# Altium PCB Copy of Board.PcbDoc (part 2 of 4) (continued)
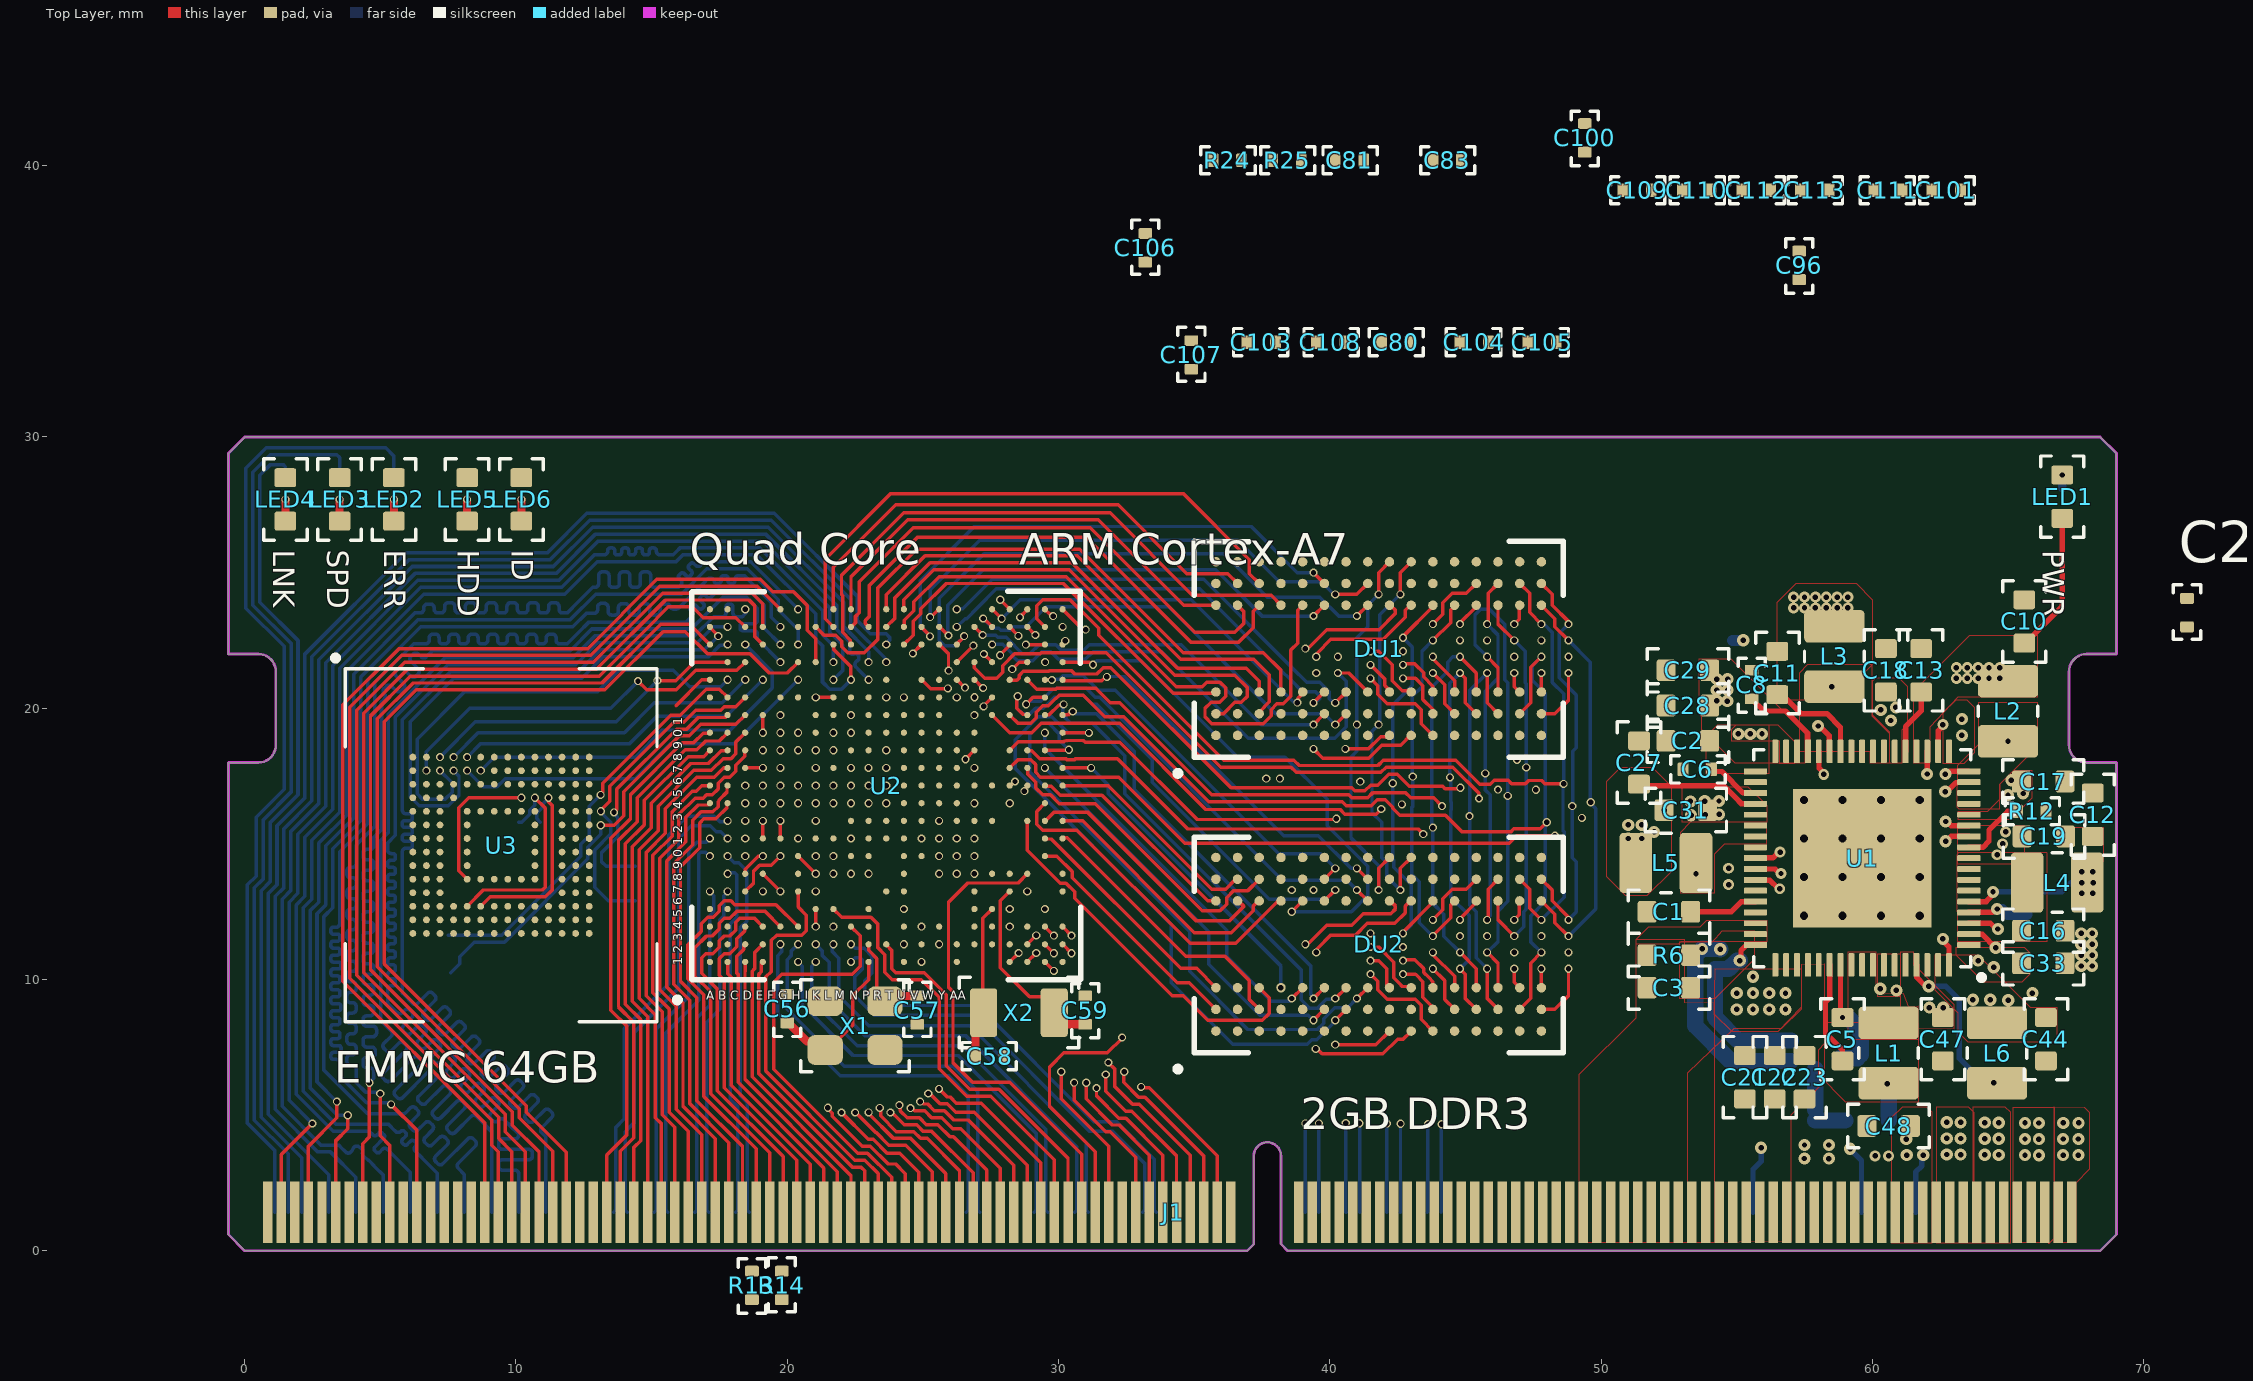
[diagram p0: Top Layer view]
## Nets (pads, with @x,y where several pads share a name; then routed paths per layer and width w, separated by ;. In a path a pad name is that pad's centre, name@x,y a point inside that pad or via, vN(x,y) a via of type N, cw(c..) or ccw(c..) an arc to the next point about the centre after c; other vN are vias at no path point) (continued)
  Int4 (PWR) w0.4: v2(62.687,16.93) 64,15.617 64,14.3 64.4,13.9 65.5,13.9 65.9,13.5 v2(65.9,9.5) 65.9,6.542 65.677,6.319 65.677,5.742 v2@64.663,4.728
  Int4 (PWR) w0.6: v2(64.144,4.726) v2(64.144,4.134) 64.144,3.549 64.657,3.549 64.713,3.605 64.713,4.678 64.663,4.728 64.657,4.734 v2@64.159,4.734
  other v2: 64.144,3.541 64.657,3.537 64.657,4.129 64.657,4.722
NetC50_2: C50.2 J1.251 J1.253 U1.17 | length 20.1
  Top Layer w0.2: v2(62.695,17.575) 62.763,17.575 62.863,17.675 U1.17@63.54,17.675
  Int4 (PWR) w0.4: v2(62.695,17.575) 63.225,17.575 64.552,16.248 65.118,16.248 65.6,15.766 65.6,14.578 66.465,13.714 66.465,6.361 66.204,6.101 66.204,4.724 66.196,4.716 v2(65.627,4.716)
  Int4 (PWR) w0.6: v2(65.627,4.716) v2(65.627,4.123) 65.627,3.538 v2@66.188,3.538 ; v2@65.643,4.724 v2@66.196,4.724 ; v2@66.196,3.538 66.196,4.712 66.196,4.716 v2@66.196,4.724 ; v2@66.204,4.724 v2@66.196,4.724
  other v2: 65.627,3.53 66.14,3.526 66.14,4.119 66.14,4.712
NetC51_2: C51.2 J1.257 J1.259 U1.19 | length 22.5
  Top Layer w0.2: U1.19@62.425,18.41 62.425,19.171 62.6,19.346 v3(62.6,19.4)
  Int4 (PWR) w0.4: v3(62.6,19.4) 62.6,18.6 63.098,18.102 63.444,18.102 63.445,18.1 65.2,18.1 66.2,17.1 66.2,14.827 67.027,14 67.027,5.973 67.602,5.398 v2(67.602,4.716)
  Int4 (PWR) w0.6: v2@67.033,4.708 v2(67.033,4.123) v2(67.033,3.53) v2(67.594,3.53) ; v2@67.049,4.716 v2(67.602,4.716) ; v2@67.602,3.53 v2(67.602,4.716) ; v2@67.61,4.716 v2(67.602,4.716)
  other v2: 67.594,4.123 67.041,4.716
NetC52_2: C52.2 U2.H11
  other v1: 21.7,17.15
NetC56_1: C56.1 U2.K1 X1.2 | length 5.8
  Top Layer w0.127: X1.2@21.4,7.4 21.5,7.4 22.418,8.318 22.418,9.418 23,10 U2.K1@23,10.65
  Top Layer w0.3: C56.1@20,8.4 20.05,8.4 20.727,7.723 21.077,7.723 X1.2@21.4,7.4
NetC57_1: C57.1 U2.K2 X1.1 | length 3.6
  Top Layer w0.127: U2.K2@23,11.3 23,11.082 23.306,10.777 23.306,9.495 X1.1@23.6,9.2
  Top Layer w0.3: X1.1@23.6,9.2 23.8,9.4 C57.1@24.8,9.4
NetC58_1: C58.1 U2.U4 X2.2 | length 5.7
  Top Layer w0.127: X2.2@27.241,8.778 27.206,8.814 27.206,12.255 U2.U4@27.55,12.6
  Top Layer w0.3: C58.1@26.941,7.178 26.941,8.478 X2.2@27.241,8.778
NetC59_1: C59.1 U2.V5 X2.1 | length 7.2
  Top Layer w0.127: U2.V5@28.2,13.25 27.859,12.91 27.859,10.441 28.932,9.368 29.409,9.368 29.68,9.098 29.841,8.936 X2.1@29.841,8.778
  Top Layer w0.3: X2.1@29.68,8.7 30.03,8.35 C59.1@30.98,8.35
NetC65_1: C65.1 C66.1 U2.V4
  other v1: 28.2,12.6
NetC67_1: C67.1 U2.Y4
  other v1: 29.5,12.6
NetC68_1: C68.1 R15.1 U2.W5
  other v1: 28.85,13.25
NetC78_2: C78.2 C79.2 U3.C2
NetDU1_L8: DU1.L8 R21.2
NetDU1_L9: DU1.L9 R19.2
NetDU2_L8: DU2.L8 R22.2
NetDU2_L9: DU2.L9 R20.2
NetJ1_33: J1.33 U2.G18 | length 42.5
  Top Layer w0.127: J1.33@8.85,1.422 8.85,4.713 3.622,9.941 3.622,20.136 5.687,22.201 12.646,22.201 15.197,24.752 19.007,24.752 19.459,24.3 20.232,24.3 20.744,23.787 20.744,22.873 21.05,22.568 U2.G18@21.05,21.7
NetJ1_35: J1.35 U2.E21 | length 39
  Top Layer w0.127: J1.35@9.35,1.422 9.35,3.65 9.104,3.896 9.104,4.818 3.876,10.046 3.876,20.031 5.792,21.947 12.751,21.947 15.302,24.498 18.901,24.498 U2.E21@19.75,23.65
NetJ1_37: J1.37 U2.D20 | length 38.7
  Top Layer w0.127: J1.37@9.85,1.422 9.85,3.65 9.358,4.142 9.358,4.924 4.13,10.152 4.13,19.926 5.897,21.693 12.857,21.693 15.408,24.244 18.715,24.244 19.1,23.859 U2.D20@19.1,23
NetJ1_39: J1.39 U2.D19 | length 38.7
  Top Layer w0.127: J1.39@10.35,1.422 10.35,3.645 9.612,4.383 9.612,5.029 4.384,10.257 4.384,19.821 6.003,21.439 12.962,21.439 15.513,23.99 18.591,23.99 18.794,23.787 18.794,22.656 U2.D19@19.1,22.35
NetJ1_41: J1.41 U2.C20 | length 36.6
  Top Layer w0.127: J1.41@10.85,1.422 10.85,3.646 9.866,4.63 9.866,5.134 4.638,10.362 4.638,19.716 6.108,21.185 13.067,21.185 14.761,22.88 15.618,23.736 16.504,23.736 16.9,23.341 18.11,23.341 U2.C20@18.45,23
NetJ1_43: J1.43 U2.A19 | length 34.9
  Top Layer w0.127: J1.43@11.35,1.422 11.35,3.677 10.12,4.907 10.12,5.239 4.892,10.467 4.892,19.61 6.213,20.931 13.172,20.931 15.341,23.1 16.4,23.1 U2.A19@17.15,22.35
NetJ1_45: J1.45 U2.F18 | length 38.3
  Top Layer w0.127: J1.45@11.85,1.422 11.85,3.634 10.374,5.11 10.374,5.344 5.146,10.572 5.146,19.505 6.318,20.677 13.277,20.677 15.42,22.82 16.246,22.82 17.061,22.006 18.626,22.006 19.332,21.3 20,21.3 U2.F18@20.4,21.7
NetJ1_51: J1.51 U2.A14 | length 20.1
  Top Layer w0.127: J1.51@13.35,1.422 13.35,3.532 14.092,4.274 14.092,8.28 13.5,8.872 13.5,15.207 14.222,15.929 14.222,16.814 16.133,18.725 16.546,18.725 16.9,19.08 17.13,19.08 U2.A14@17.15,19.1
NetJ1_53: J1.53 U2.B14 | length 20.3
  Top Layer w0.127: J1.53@13.85,1.422 13.85,3.673 14.346,4.169 14.346,8.421 13.78,8.988 13.78,15.127 14.476,15.823 14.476,16.709 16.239,18.471 16.671,18.471 16.994,18.794 17.494,18.794 U2.B14@17.8,19.1
NetJ1_55: J1.55 U2.A13 | length 19
  Top Layer w0.127: J1.55@14.35,1.422 14.35,3.814 14.6,4.064 14.6,8.526 14.034,9.093 14.034,15 14.73,15.696 14.73,16.603 16.344,18.217 16.917,18.217 U2.A13@17.15,18.45
NetJ1_57: J1.57 U2.B13 | length 19.2
  Top Layer w0.127: J1.57@14.85,1.422 14.854,1.426 14.854,8.632 14.288,9.198 14.288,14.895 14.984,15.591 14.984,16.498 16.449,17.963 17.095,17.963 17.562,18.43 17.78,18.43 U2.B13@17.8,18.45
NetJ1_59: J1.59 U2.C14 | length 20.2
  Top Layer w0.127: J1.59@15.35,1.422 15.35,4.695 15.142,4.903 15.142,8.703 14.542,9.303 14.542,14.79 15.238,15.486 15.238,16.393 16.554,17.709 17.201,17.709 17.636,18.144 17.927,18.144 18.105,18.323 18.105,18.755 U2.C14@18.45,19.1
NetJ1_61: J1.61 U2.B12 | length 18.5
  Top Layer w0.127: J1.61@15.85,1.422 15.85,4.554 15.396,5.008 15.396,8.808 14.796,9.408 14.796,14.684 15.5,15.389 15.5,16.296 16.659,17.455 17.277,17.455 ; 17.295,17.455 17.314,17.455 17.659,17.8 U2.B12@17.8,17.8
NetJ1_63: J1.63 U2.A11 | length 17.4
  Top Layer w0.127: J1.63@16.35,1.422 16.35,4.413 15.65,5.114 15.65,8.914 15.501,9.062 15.05,9.514 15.05,14.579 15.754,15.284 15.754,16.191 16.505,16.941 16.641,16.941 16.85,17.15 U2.A11@17.15,17.15
NetJ1_65: J1.65 U2.C13 | length 19.4
  Top Layer w0.127: J1.65@16.85,1.422 16.85,4.272 15.904,5.219 15.904,9.019 15.304,9.619 15.304,14.474 16.008,15.178 16.008,16.086 16.61,16.687 16.905,16.687 17.023,16.805 17.238,16.805 17.455,17.023 17.455,17.238 17.673,17.455 17.887,17.455 18.105,17.673 18.105,17.905 18.43,18.23 18.43,18.43 U2.C13@18.45,18.45
NetJ1_67: J1.67 U2.A10 | length 16.7
  Top Layer w0.127: U2.A10@17.15,16.5 17.083,16.433 16.715,16.433 16.262,15.98 16.262,15.073 15.558,14.369 15.558,9.724 16.158,9.124 16.158,5.324 17.35,4.132 J1.67@17.35,1.422
NetJ1_69: J1.69 U2.B11 | length 17.7
  Top Layer w0.127: U2.B11@17.8,17.15 17.78,17.13 17.78,16.912 17.5,16.632 17.5,16.606 17.455,16.561 17.455,16.373 17.261,16.179 16.82,16.179 16.516,15.875 16.516,14.968 15.812,14.264 15.812,9.829 16.263,9.378 16.412,9.229 16.412,5.429 17.85,3.991 J1.69@17.85,1.422
NetJ1_71: J1.71 U2.B10 | length 17
  Top Layer w0.127: U2.B10@17.8,16.5 17.78,16.48 17.78,16.339 17.367,15.925 16.925,15.925 16.77,15.77 16.77,14.863 16.066,14.158 16.066,9.934 16.666,9.334 16.666,5.534 18.35,3.85 J1.71@18.35,1.422
NetJ1_73: J1.73 U2.F3 | length 16.3
  Top Layer w0.127: J1.73@18.85,1.422 18.85,3.758 16.92,5.688 16.92,6.109 16.92,6.6 16.92,9.44 16.336,10.023 16.336,11.278 16.829,11.771 16.829,12.061 17.062,12.294 17.277,12.294 17.494,12.512 17.494,12.727 17.673,12.905 17.927,12.905 18.068,12.763 19.587,12.763 U2.F3@20.4,11.95
NetJ1_75: J1.75 U2.E3 | length 15
  Top Layer w0.127: J1.75@19.35,1.422 19.35,3.617 17.174,5.794 17.174,6.004 17.174,6.495 17.174,9.545 16.59,10.128 16.59,11.173 17.023,11.606 17.238,11.606 17.494,11.862 17.494,12.077 17.673,12.255 17.888,12.255 18.142,12.509 19.19,12.509 U2.E3@19.75,11.95
NetJ1_77: J1.77 U2.D3 | length 13.9
  Top Layer w0.127: U2.D3@19.1,11.95 18.794,12.255 18.247,12.255 18.105,12.114 18.105,11.823 17.888,11.606 17.673,11.606 17.494,11.427 17.494,11.194 17.255,10.955 17,10.955 16.844,10.8 16.844,10.233 17.428,9.65 17.428,5.899 19.85,3.476 J1.77@19.85,1.422
NetJ1_78: J1.78 U2.F11
  other v1: 20.4,17.15
NetJ1_79: J1.79 U2.C3 | length 12.2
  Top Layer w0.127: U2.C3@18.45,11.95 18.43,11.93 18.43,11.789 18.145,11.503 18.145,11.212 17.887,10.955 17.673,10.955 17.494,10.777 17.494,10.165 17.682,9.978 17.682,6.004 20.35,3.336 J1.79@20.35,1.422
NetJ1_80: J1.80 U2.G12
  other v1: 21.05,17.8
NetJ1_81: J1.81 U2.B1 | length 10.5
  Top Layer w0.127: U2.B1@17.8,10.65 17.8,10.218 17.936,10.083 17.936,6.109 20.85,3.195 J1.81@20.85,1.422
NetJ1_83: J1.83 U2.C2 | length 11.3
  Top Layer w0.127: U2.C2@18.45,11.3 18.399,11.248 18.399,11.107 18.145,10.853 18.145,10.233 18.19,10.188 18.19,6.214 21.35,3.054 J1.83@21.35,1.422
NetJ1_84: J1.84 U2.M3
NetJ1_85: J1.85 U2.C1 | length 10.6
  Top Layer w0.127: U2.C1@18.45,10.65 18.45,10.3 18.444,10.293 18.444,6.32 21.842,2.921 21.842,1.43 J1.85@21.85,1.422
NetJ1_86: J1.86 U2.H6
  other v1: 21.7,13.9
NetJ1_87: J1.87 U2.D2 | length 11.6
  Top Layer w0.127: U2.D2@19.1,11.3 18.794,10.994 18.794,10.4 18.704,10.31 18.704,6.418 22.35,2.772 J1.87@22.35,1.422
NetJ1_89: J1.89 U2.D1 | length 11.1
  Top Layer w0.127: U2.D1@19.1,10.65 19.048,10.598 19.048,10.295 18.958,10.204 18.958,6.524 22.409,3.073 22.727,3.073 22.85,2.95 J1.89@22.85,1.422
NetJ1_90: J1.90 U2.D10
  other v1: 19.1,16.5
NetJ1_91: J1.91 U2.F5 | length 15
  Top Layer w0.127: U2.F5@20.4,13.25 20.4,12.676 20.706,12.37 20.706,11.806 20.54,11.64 19.609,11.64 19.409,11.441 19.409,11.4 19.405,11.396 19.405,10.293 19.212,10.099 19.212,6.629 22.495,3.346 22.854,3.346 23.35,2.85 J1.91@23.35,1.422
NetJ1_92: J1.92 U2.C8
  other v1: 18.45,15.2
NetJ1_93: J1.93 U2.J3 | length 15.5
  Top Layer w0.127: U2.J3@22.35,11.95 22.69,11.609 22.69,10.49 22.4,10.2 19.8,10.2 19.5,9.9 19.5,6.7 22.6,3.6 22.959,3.6 23.85,2.709 J1.93@23.85,1.422
NetJ1_94: J1.94 U2.E11
  other v1: 19.75,17.15
NetJ1_95: J1.95 U2.F13 | length 32.1
  Top Layer w0.127: v1(21.5,5.273) 21.5,5.227 21.659,5.067 21.659,4.959 22.764,3.854 23.065,3.854 23.718,3.2 24,3.2 24.353,2.847 J1.95@24.353,1.475
  Int2 (Sign) w0.127: v1(20.4,18.45) 20.741,18.79 20.741,19.659 20.055,20.345 19.145,20.345 19.058,20.258 18.699,20.258 17.709,19.268 16.03,19.268 14.246,17.484 14.246,15.738 13.86,15.352 13.86,11.448 14.552,10.756 14.552,8.756 17.948,5.36 v1@21.397,5.36 ; v1@21.484,5.273 v1(21.5,5.273)
NetJ1_96: J1.96 U2.E13
  other v1: 19.75,18.45
NetJ1_97: J1.97 U2.F14 | length 30.9
  Top Layer w0.127: v1(22,5.1) 22.992,4.108 23.17,4.108 23.678,3.6 24.15,3.6 24.85,2.9 J1.97@24.85,1.422
  Int2 (Sign) w0.127: v1(20.4,19.1) 20.4,19.641 19.95,20.091 19.25,20.091 19.163,20.004 18.804,20.004 17.814,19.014 16.136,19.014 14.5,17.379 14.5,15.633 14.114,15.247 14.114,11.553 14.806,10.861 14.806,8.861 18.053,5.614 21.841,5.614 22,5.455 v1(22,5.1)
NetJ1_99: J1.99 U2.E15 | length 29.3
  Top Layer w0.127: v1(22.5,5.1) 22.52,5.1 23.258,4.362 23.275,4.362 23.749,3.888 24.375,3.888 25.35,2.913 J1.99@25.35,1.422
  Int2 (Sign) w0.127: v1(19.75,19.75) 18.909,19.75 17.92,18.76 16.241,18.76 14.754,17.274 14.754,15.528 14.368,15.142 14.368,11.658 15.06,10.966 15.06,8.966 18.158,5.868 22.033,5.868 22.533,5.368 22.533,5.133 v1(22.5,5.1)
NetJ1_100: J1.100 U2.D8 | length 0.6
  Top Layer w0.127: U2.D8@19.1,15.2 v1(19.1,15.85)
NetJ1_101: J1.101 U2.E14 | length 29.1
  Top Layer w0.127: v1(23.001,5.101) 23.001,5.059 23.918,4.142 24.558,4.142 25.85,2.85 J1.101@25.85,1.422
  Int2 (Sign) w0.127: v1(19.75,19.1) 19.409,19.441 18.959,19.441 18.025,18.506 16.346,18.506 15.008,17.168 15.008,15.422 14.622,15.036 14.622,11.764 15.314,11.072 15.314,9.072 18.264,6.122 22.284,6.122 22.968,5.438 22.968,5.134 v1(23.001,5.101)
NetJ1_103: J1.103 U2.D15 | length 28.8
  Top Layer w0.127: v1(19.1,19.1) U2.D15@19.1,19.75 ; v1(23.408,5.27) 23.441,5.236 23.441,4.977 24.023,4.396 24.664,4.396 24.913,4.146 25.154,4.146 26.35,2.95 J1.103@26.35,1.422
  Int2 (Sign) w0.127: v1(19.1,19.1) 18.252,18.252 16.451,18.252 15.262,17.063 15.262,15.317 14.876,14.931 14.876,11.869 15.568,11.177 15.568,9.177 18.369,6.376 22.424,6.376 23.408,5.392 v1(23.408,5.27)
NetJ1_105: J1.105 U2.D13 | length 27.6
  Top Layer w0.127: v1(23.8,5.1) 23.847,5.1 23.933,5.014 23.946,5.014 24.31,4.65 24.769,4.65 25.018,4.4 25.322,4.4 26.85,2.872 J1.105@26.85,1.422
  Int2 (Sign) w0.127: v1(19.1,18.45) 18.648,17.998 16.556,17.998 15.516,16.958 15.516,15.212 15.13,14.826 15.13,11.974 15.822,11.282 15.822,9.282 18.474,6.63 22.529,6.63 23.783,5.376 v1@23.783,5.117 ; v1@23.767,5.133 v1(23.8,5.1)
NetJ1_107: J1.107 U2.C12 | length 27.9
  Top Layer w0.127: U2.C12@18.45,17.8 v1(19.1,17.8) ; v1(24.133,5.373) 24.166,5.339 24.166,5.156 24.418,4.904 24.874,4.904 25.124,4.654 25.546,4.654 26,4.2 26.129,4.2 27.35,2.979 J1.107@27.35,1.422
  Int2 (Sign) w0.127: v1(19.1,17.8) 19.044,17.744 16.662,17.744 15.77,16.853 15.77,15.107 15.384,14.721 15.384,12.079 16.076,11.387 16.076,9.387 18.579,6.884 22.634,6.884 24.133,5.386 v1(24.133,5.373)
NetJ1_109: J1.109 U2.D11 | length 27.2
  Top Layer w0.127: v1(24.544,5.259) 24.591,5.259 24.692,5.158 25.067,5.158 25.317,4.908 25.692,4.908 26.1,4.5 26.4,4.5 27.85,3.05 J1.109@27.85,1.422
  Int2 (Sign) w0.127: v1(19.1,17.15) 18.932,17.15 18.591,17.49 16.767,17.49 16.024,16.748 16.024,15.002 15.638,14.616 15.638,12.184 16.33,11.492 16.33,9.492 18.684,7.138 22.74,7.138 24.078,5.8 24.2,5.8 24.544,5.455 v1(24.544,5.259) ; v1@24.505,5.229 v1@24.525,5.209
NetJ1_110: J1.110 J1.143 U2.G5
  other v1: 21.05,13.25
NetJ1_111: J1.111 U2.C11 | length 26.1
  Top Layer w0.127: v1(24.898,5.498) 24.945,5.498 25.031,5.412 25.173,5.412 25.422,5.162 25.797,5.162 26.137,4.822 26.678,4.822 28.35,3.15 J1.111@28.35,1.422
  Int2 (Sign) w0.127: v1(18.45,17.15) 18.392,17.208 16.844,17.208 16.278,16.642 16.278,14.896 15.892,14.51 15.892,12.29 16.584,11.598 16.584,9.598 18.79,7.392 22.845,7.392 24.137,6.1 24.296,6.1 v1(24.898,5.498)
NetJ1_113: J1.113 U2.C10 | length 26
  Top Layer w0.127: v1(25.2,5.8) 25.247,5.8 25.631,5.416 25.902,5.416 26.21,5.108 26.892,5.108 28.85,3.15 J1.113@28.85,1.422
  Int2 (Sign) w0.127: v1(18.45,16.5) 18.159,16.5 17.705,16.954 16.949,16.954 16.555,16.561 16.555,14.815 16.146,14.405 16.146,12.395 16.838,11.703 16.838,9.703 18.895,7.646 22.95,7.646 24.242,6.354 24.401,6.354 24.805,5.95 25.05,5.95 v1(25.2,5.8)
NetJ1_115: J1.115 U2.C9 | length 26
  Top Layer w0.127: v1(25.593,5.969) 25.892,5.67 26.008,5.67 26.232,5.446 27.154,5.446 29.35,3.25 J1.115@29.35,1.422
  Int2 (Sign) w0.127: v1(18.45,15.85) 17.6,16.7 17.054,16.7 16.809,16.455 16.809,14.709 16.4,14.3 16.4,12.5 17.092,11.808 17.092,9.808 19,7.9 23.055,7.9 23.955,7 24.347,6.608 24.507,6.608 24.863,6.252 25.31,6.252 v1(25.593,5.969)
NetJ1_117: J1.117 U2.H4 | length 16.3
  Top Layer w0.127: U2.H4@21.7,12.6 22.005,12.294 23.088,12.294 23.344,12.038 23.344,11.173 23.6,10.918 23.6,10.274 23.874,10 24.941,10 25.6,9.341 25.6,6.718 26.618,5.7 27.5,5.7 29.85,3.35 J1.117@29.85,1.422
NetJ1_119: J1.119 U2.L2 | length 13.9
  Top Layer w0.127: U2.L2@23.65,11.3 23.65,11.276 23.854,11.072 23.854,10.405 24.005,10.254 25.046,10.254 25.854,9.446 25.854,6.824 26.724,5.954 27.806,5.954 30.35,3.41 J1.119@30.35,1.422
NetJ1_121: J1.121 U2.W6 | length 17.6
  Top Layer w0.127: U2.W6@28.85,13.9 28.509,13.559 26.659,13.559 25.944,12.844 25.944,9.715 26.109,9.55 26.109,6.927 26.829,6.208 28.197,6.208 30.85,3.555 J1.121@30.85,1.422
NetJ1_123: J1.123 U2.G4 | length 27.1
  Top Layer w0.127: v1(21.05,11.95) U2.G4@21.05,12.6 ; J1.123@31.35,1.422 31.35,3.65 29.667,5.333 29.667,6.767 30.2,7.3 31.8,7.3 32.342,7.842 v1(32.342,7.864)
  Int2 (Sign) w0.127: v1(21.05,11.95) 19.559,11.95 19.154,11.545 19.154,10.687 19.861,9.98 29.757,9.98 31.875,7.862 32.34,7.862 v1(32.342,7.864)
NetJ1_125: J1.125 U2.F10 | length 21
  Top Layer w0.127: v1(30.1,6.6) 30.1,5.6 31.85,3.85 J1.125@31.85,1.422
  Int3 (Sign) w0.127: v1(20.4,16.5) 20.4,15.8 20.8,15.4 21.6,15.4 22.76,14.24 23.96,14.24 30.1,8.1 v1(30.1,6.6)
NetJ1_126: J1.126 U2.H3
  other v1: 21.7,11.95
NetJ1_129: J1.129 U2.C7 | length 25.9
  Top Layer w0.127: v1(30.573,6.2) 30.573,5.549 31.738,4.384 31.909,4.384 32.85,3.443 J1.129@32.85,1.422
  Int2 (Sign) w0.127: v1(18.45,14.55) 18.45,14.25 18.246,14.046 18.246,13.151 17.346,12.251 17.346,9.98 19.172,8.154 29.028,8.154 30.573,6.609 v1(30.573,6.2)
NetJ1_131: J1.131 U2.C6 | length 27.3
  Top Layer w0.127: U2.C6@18.45,13.9 18.45,14.068 18.932,14.55 v1(19.1,14.55) ; v1(31.021,6.197) 31.021,5.602 31.985,4.638 32.232,4.638 33.35,3.52 J1.131@33.35,1.422
  Int2 (Sign) w0.127: v1(19.1,14.55) 19.1,14 18.945,13.845 18.854,13.845 18.5,13.491 18.5,13.046 17.6,12.146 17.6,10.086 19.229,8.456 29.085,8.456 31,6.541 31,6.218 v1(31.021,6.197)
NetJ1_133: J1.133 U2.C5 | length 28.8
  Top Layer w0.127: U2.C5@18.45,13.25 18.756,13.556 18.756,13.988 18.977,14.209 19.409,14.209 v1(19.75,14.55) ; v1(31.4,6) 31.4,5.709 32.217,4.892 32.488,4.892 33.85,3.53 J1.133@33.85,1.422
  Int2 (Sign) w0.127: v1(19.75,14.55) 19.75,13.85 19.491,13.591 18.959,13.591 18.754,13.386 18.754,12.941 17.884,12.071 17.884,10.161 19.335,8.71 29.19,8.71 31.4,6.5 v1(31.4,6)
NetJ1_135: J1.135 U2.D5 | length 24.8
  Top Layer w0.127: v1(31.741,6.5) 31.741,5.885 32.48,5.146 32.704,5.146 34.35,3.5 J1.135@34.35,1.422
  Int2 (Sign) w0.127: v1(19.1,13.25) 19.082,13.232 19.082,12.91 18.138,11.966 18.138,10.266 19.44,8.964 29.295,8.964 31.741,6.519 v1(31.741,6.5)
NetJ1_136: J1.136 U2.K3
NetJ1_137: J1.137 U2.D6 | length 26.1
  Top Layer w0.127: U2.D6@19.1,13.9 v1(19.75,13.25) ; v1(31.841,6.941) 32.081,6.699 32.081,6.053 32.729,5.406 32.979,5.406 32.979,5.4 34.85,3.529 J1.137@34.85,1.422
  Int2 (Sign) w0.127: v1(19.75,13.25) 19.75,13.218 18.392,11.86 18.392,10.371 19.545,9.218 29.441,9.218 31.559,7.1 31.682,7.1 v1(31.841,6.941)
NetJ1_139: J1.139 U2.E8 | length 29
  Top Layer w0.127: U2.E8@19.75,15.2 v1(19.75,15.85) ; v1(32.421,6.6) 32.4,6.579 32.4,6.21 32.95,5.66 33.187,5.66 35.35,3.497 J1.139@35.35,1.422
  Int2 (Sign) w0.127: v1(19.75,15.85) 19.75,15.25 20.146,14.854 20.146,13.064 19.782,12.7 19.591,12.7 18.646,11.755 18.646,10.476 19.65,9.472 29.546,9.472 31.664,7.354 31.909,7.354 32.421,6.842 v1(32.421,6.6)
NetJ1_140: J1.140 U2.M2
  other v1: 24.3,11.3
NetJ1_141: J1.141 U2.E10 | length 29.5
  Top Layer w0.127: v1(33.046,6.045) 33.079,6.012 33.338,6.012 35.85,3.5 J1.141@35.85,1.422
  Int2 (Sign) w0.127: v1(19.75,16.5) 20.741,15.509 20.741,15.014 20.654,14.927 20.654,13.213 19.887,12.446 19.696,12.446 18.9,11.65 18.9,10.582 19.756,9.726 29.652,9.726 31.77,7.608 32.014,7.608 32.762,6.86 32.762,6.329 v1(33.046,6.045)
NetJ1_146: J1.146 U2.Y1 | length 15.3
  Top Layer w0.127: U2.Y1@29.5,10.65 v1(29.829,10.321)
  Int2 (Sign) w0.127: v1(29.829,10.321) 30.368,10.321 35.642,5.046 38.354,5.046 38.7,4.7 v1(39.1,4.7)
  Bottom Layer w0.127: J1.146@39.1,1.422 v1(39.1,4.7)
NetJ1_148: J1.148 U2.Y2 | length 16.1
  Top Layer w0.127: U2.Y2@29.5,11.3 v1(29.829,10.971)
  Int2 (Sign) w0.127: v1(29.829,10.971) 30.225,10.575 30.473,10.575 35.748,5.3 39,5.3 v1(39.6,4.7)
  Bottom Layer w0.127: J1.148@39.6,1.422 v1(39.6,4.7)
NetJ1_152: J1.152 U2.AA2 | length 16.5
  Top Layer w0.127: U2.AA2@30.15,11.3 v1(30.479,10.971)
  Int2 (Sign) w0.127: v1(30.479,10.971) 30.479,10.962 35.887,5.554 39.742,5.554 v1(40.589,4.706)
  Bottom Layer w0.127: v1(40.589,4.706) 40.595,4.701 40.595,1.427 J1.152@40.6,1.422
NetJ1_154: J1.154 U2.AA3 | length 17.4
  Top Layer w0.127: U2.AA3@30.15,11.95 v1(30.479,11.621)
  Int2 (Sign) w0.127: v1(30.479,11.621) 31.017,11.083 31.017,10.783 35.992,5.808 39.988,5.808 v1(41.095,4.701)
  Bottom Layer w0.127: v1(41.095,4.701) 41.097,4.699 41.097,1.425 J1.154@41.1,1.422
NetJ1_158: J1.158 U2.Y3 | length 19.4
  Top Layer w0.127: U2.Y3@29.5,11.95 v1(29.829,11.621)
  Int2 (Sign) w0.127: v1(29.829,11.621) 29.86,11.621 30.2,11.961 30.62,11.961 30.819,11.762 30.819,11.639 31.271,11.188 31.271,10.89 36.099,6.062 40.734,6.062 v1(42.108,4.688)
  Bottom Layer w0.127: J1.158@42.1,1.422 42.104,1.426 42.104,4.684 v1(42.108,4.688)
NetJ1_160: J1.160 U2.W2 | length 20.8
  Top Layer w0.127: U2.W2@28.85,11.3 v1(29.179,11.629)
  Int2 (Sign) w0.127: v1(29.179,11.629) 29.556,12.005 29.885,12.005 30.095,12.215 30.744,12.215 30.744,12.196 31.073,11.867 31.073,11.745 31.525,11.293 31.525,10.995 36.204,6.316 40.98,6.316 v1(42.613,4.683)
  Bottom Layer w0.127: J1.160@42.6,1.422 42.607,1.429 42.607,4.676 v1(42.613,4.683)
NetJ1_164: J1.164 U2.W1 | length 23.2
  Top Layer w0.127: U2.W1@28.85,10.65 v1(29.179,10.979)
  Int2 (Sign) w0.127: v1(29.179,10.979) 28.839,11.319 28.839,11.77 29.073,12.004 29.196,12.004 29.451,12.259 29.78,12.259 29.99,12.469 30.849,12.469 31.327,11.991 31.327,11.85 31.779,11.398 31.779,11.101 36.31,6.57 41.726,6.57 v1(43.624,4.672)
  Bottom Layer w0.127: J1.164@43.6,1.422 43.612,1.434 43.612,4.66 v1(43.624,4.672)
NetJ1_166: J1.166 U2.V1 | length 24.5
  Top Layer w0.127: U2.V1@28.2,10.65 v1@28.529,10.979
  Int2 (Sign) w0.127: v1(28.529,10.979) 28.54,10.99 28.54,12.122 29.359,12.94 29.883,12.94 30.1,12.723 30.955,12.723 32.033,11.645 32.033,11.206 36.415,6.824 41.972,6.824 v1(44.129,4.667)
  Bottom Layer w0.127: J1.166@44.1,1.422 44.115,1.437 44.115,4.652 v1(44.129,4.667)
NetJ1_212: J1.212 U1.43 U2.V6 | length 16.1
  Top Layer w0.2: U1.43@55.69,14.475 55.7,14.485 56.331,14.485 56.546,14.7 v3(56.6,14.7)
  Int4 (PWR) w0.2: v2(55.9,3.8) 55.9,5 57.7,6.8 57.7,10.4 56,12.1 56,14.1 v3(56.6,14.7)
  Bottom Layer w0.2: J1.212@55.6,1.422 55.6,3 55.9,3.3 v2(55.9,3.8)
NetJ1_216: J1.216 J1.218 U1.3 | length 12.8
  Top Layer w0.2: U1.3@63.56,12.075 64.349,12.075 64.561,11.863 v2(64.629,11.863)
  Int3 (Sign) w0.4: v2(57.5,3.9) 57.873,4.273 57.873,5.518 61.439,9.084 61.439,9.895 61.944,10.4 62.4,10.4 63.853,11.853 64.619,11.853 v2(64.629,11.863)
  other v2: 57.498,3.402
NetJ1_222: J1.222 J1.224 U1.2 | length 16.2
  Top Layer w0.2: U1.2@63.56,11.675 63.57,11.665 64.054,11.665 v2(64.547,11.172)
  Int3 (Sign) w0.4: v2(58.4,3.9) 58.4,5.3 60.8,7.7 62.4,7.7 63.117,8.417 66.117,8.417 66.6,8.9 66.6,10.5 65.919,11.181 64.557,11.181 v2(64.547,11.172)
  other v2: 58.4,3.4
NetJ1_228: J1.228 R2.2 U1.30 | length 24.2
  Top Layer w0.2: U1.30@58.025,18.41 58.035,18.4 58.035,17.794 58.211,17.618 v3(58.211,17.564)
  Int4 (PWR) w0.2: v2(55.239,22.504) 55.239,21.061 58.211,18.089 58.211,4.731 v2(59.182,3.761)
  Bottom Layer w0.2: v2(59.182,3.761) 59.182,3.749 59.6,3.33 J1.228@59.6,1.422
  Bottom Layer w0.4: R2.2@54.85,22.5 54.85,22.504 v2(55.239,22.504)
NetJ1_230: J1.230 J1.232 U1.68 | length 10.4
  Top Layer w0.2: v2(62.6,11.5) 62.6,11.426 62.825,11.201 U1.68@62.825,10.54
  Int4 (PWR) w0.4: v3(60.6,3.5) 60.7,3.6 60.7,4.717 61.2,5.218 61.2,6.915 61.439,7.154 61.439,10.339 v2(62.6,11.5)
  Int4 (PWR) w0.6: v3(60.1,3.5) v3(60.6,3.5)
NetJ1_236: J1.236 U1.12 | length 16.2
  Top Layer w0.2: v2(62.7,15.827) 62.754,15.827 62.906,15.675 U1.12@63.56,15.675
  Int4 (PWR) w0.2: v2(61.876,3.528) 61.876,4.077 61.8,4.153 61.8,6.5 63.152,7.852 63.152,15.375 v2(62.7,15.827)
  Bottom Layer w0.2: J1.236@61.6,1.422 61.597,1.425 61.597,2.901 61.828,3.133 61.828,3.48 v2(61.876,3.528)
NetL1_2: L1.2 U1.60 U1.61
NetLED1_2: LED1.2 R1.1 | length 0.5
  Bottom Layer w0.3: R1.1@67,28.1 v3(67,28.6)
NetLED2_2: LED2.2 R3.1 | length 0.8
  Top Layer w0.3: LED2.2@5.5,26.9 v1(5.5,27.7)
NetLED3_2: LED3.2 R4.1 | length 0.8
  Top Layer w0.3: LED3.2@3.5,26.9 v1(3.5,27.7)
NetLED4_2: LED4.2 R8.1 | length 0.8
  Top Layer w0.3: LED4.2@1.5,26.9 v1(1.5,27.7)
NetLED5_2: LED5.2 R27.1 | length 0.8
  Top Layer w0.3: LED5.2@8.2,26.9 v1(8.2,27.7)
NetLED6_2: LED6.2 R28.1 | length 0.8
  Top Layer w0.3: LED6.2@10.2,26.9 v1(10.2,27.7)
NetQ1_3: Q1.3 U1.51 | length 7
  Top Layer w0.2: v2(55.113,10.698) 55.158,10.743 55.158,11.063 55.37,11.275 U1.51@55.69,11.275
  Bottom Layer w0.6: v2(55.113,10.698) 55.008,10.698 54.696,10.387 54.198,10.387 54.198,8.602 55.05,7.75 Q1.3@57,7.75
NetR5_1: R5.1 U1.45 U2.M1 | length 1
  Top Layer w0.2: U1.45@55.69,13.675 55.7,13.665 56.214,13.665 56.532,13.347 v3(56.586,13.347)
NetR7_1: R7.1 U1.44 U2.N1 | length 1
  Top Layer w0.2: U1.44@55.69,14.075 56.42,14.075 56.587,13.908 v3(56.633,13.908)
  other v1: 24.95,10.65
NetR9_1: R9.1 U1.29 U2.P2 | length 1.1
  Top Layer w0.2: v2(58.001,19.346) 58.054,19.346 58.415,18.985 58.415,18.42 U1.29@58.425,18.41
  other v1: 25.6,11.3
NetR12_2: R12.2 U1.10 | length 2.6
  Top Layer w0.2: U1.10@63.56,14.875 64.075,14.875 64.3,15.1 64.3,15.508 64.992,16.2 R12.2@65.35,16.2
NetR13_1: R13.1 U2.AA6
NetR14_1: R14.1 U2.AA5